# Altium PCB PROC054D_MMWCAS_RF_EVM_ASCII.PcbDoc (part 11 of 13) (continued)
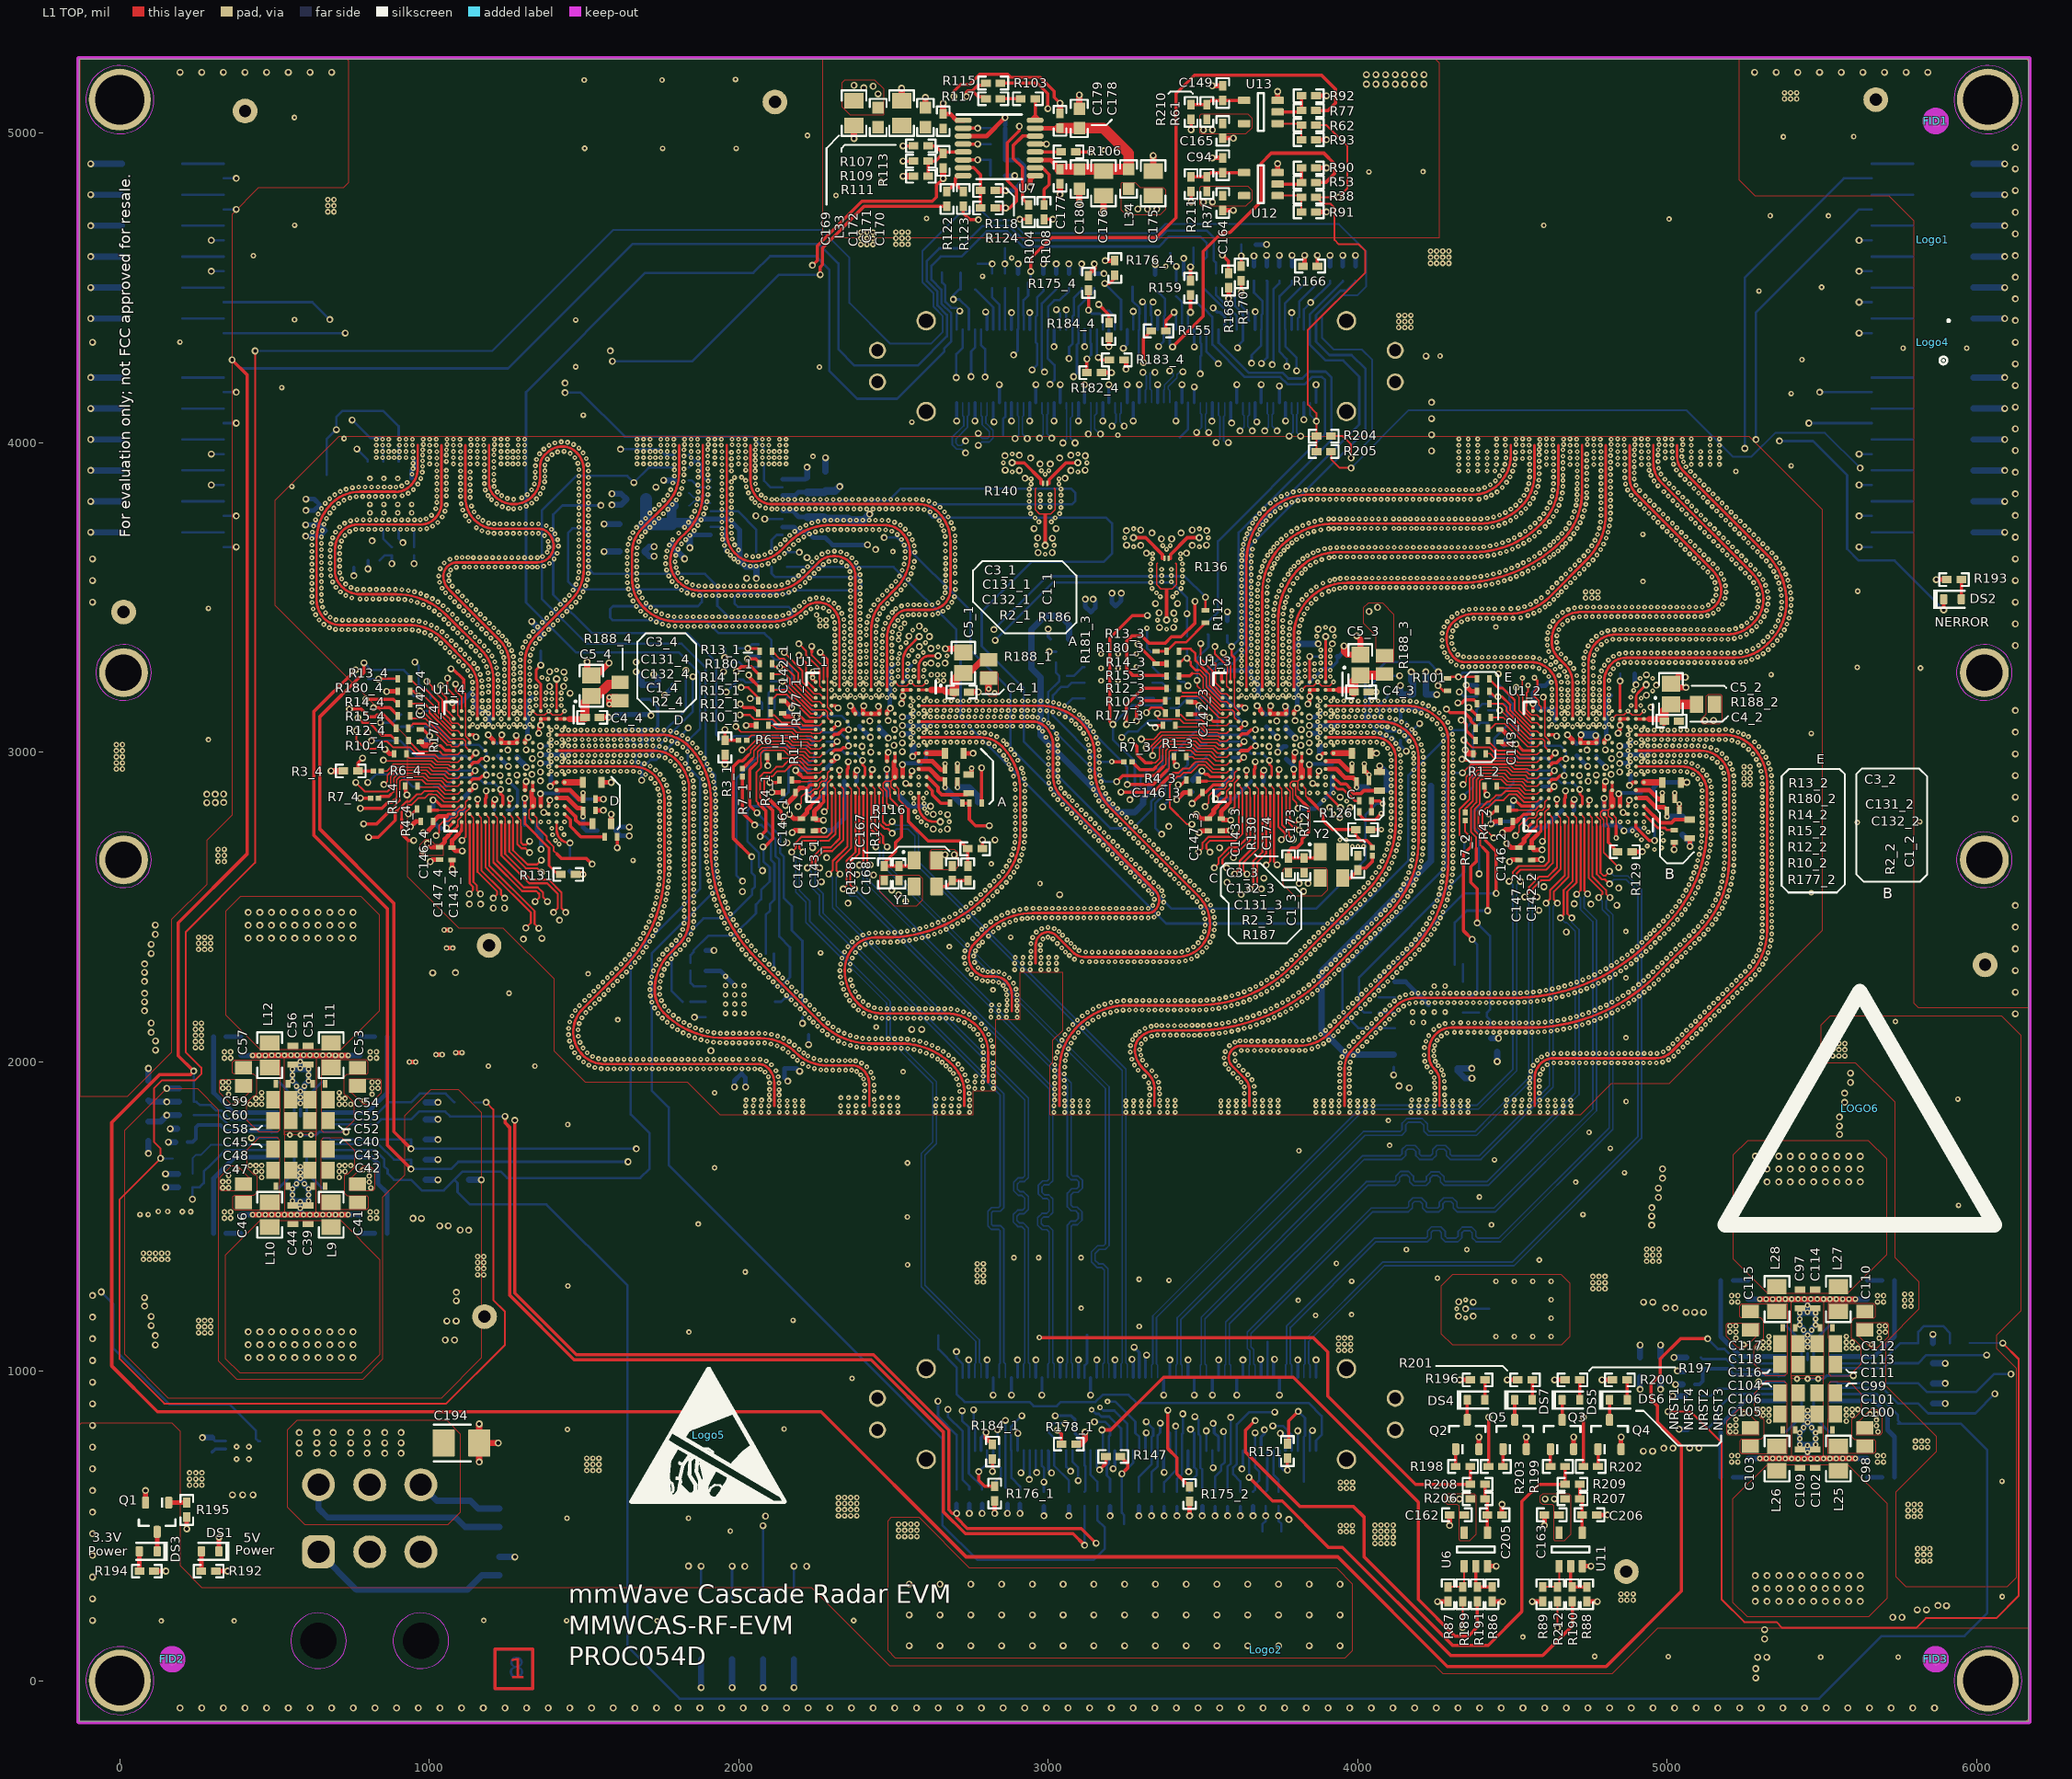
[diagram p0: L1 TOP view]
## Nets (pads, with @x,y where several pads share a name; then routed paths per layer and width w, separated by ;. In a path a pad name is that pad's centre, name@x,y a point inside that pad or via, vN(x,y) a via of type N, cw(c..) or ccw(c..) an arc to the next point about the centre after c; other vN are vias at no path point) (continued)
  L8 BOTTOM w20: R46.1@988.28,1683.21 v2(1028.15,1683.21) ; R47.2@988.28,1748.23 v2(1028.15,1748.23) ; v2(1590.21,3798.87) 1619.54,3798.87 L35.1@1637.54,3816.87 1619.54,3834.87 v2(1590.21,3834.87) ; v2(1668.58,3259.7) 1686.31,3241.98 R164.1@1686.31,3217.45 C197.1@1739.32,3217.44 1739.32,3237.56 v2(1725.47,3251.41) ; v2(1726.42,3632.62) 1710.6,3632.62 C181.1@1695.02,3648.2 1710.6,3663.78 v2(1726.42,3663.78) ; C148_3.1@3467.98,2909.98 v2(3497,2939) ; v2(4220.47,3259.25) C198.1@4220.47,3230.71 R173.1@4220.47,3185.83 v2(4255.81,3185.83) ; R70.1@5859,895.36 v2(5898.87,895.36) ; R71.2@5859,960.38 v2(5898.87,960.38)
  other v2: 4299.6,586.56 4329.13,586.56 4606.05,586.56 4635.58,586.56 4166.81,1915.43 4133.82,1921.54 1668.45,3290.77 3501.68,4777.32 3531.22,4777.32 3501.68,5010.37 3531.22,5010.37 2450.31,5126.39 2404.21,5146.62 2434.12,5151.52 2372.39,5154.46
  other v3: 4851.06,260.16 4870.74,260.16 4890.43,260.16 4851.06,279.85 4870.74,279.85 4890.43,279.85 225.44,631.86 245.12,631.86 264.81,631.86 225.44,651.54 245.12,651.54 264.81,651.54 225.44,671.23 245.12,671.23 264.81,671.23 5379.55,5110.56 5399.23,5110.56 5418.92,5110.56 5379.55,5130.25 5399.23,5130.25 5418.92,5130.25
SYSTEM_3V3_LED: Q1.1 R195.1 | length 58.3
  L1 TOP w15: Q1.1@157.85,575.13 R195.1@216.13,575.13
SYSTEM_3V3_LED_PW: DS3.1 R194.1 | length 63.8
  L1 TOP w15: R194.1@63.36,353.83 DS3.1@63.36,417.61
SYSTEM_5V0: C39.1 C44.1 C51.1 C56.1 C97.1 C102.1 C109.1 C114.1 C190.1 C191.1 C192.1 C193.1 C194.1 C202.1 J4.P3 J4.P4 J5.P1 J5.P2 J6.5 J6.6 L9.1 L10.1 L11.1 L12.1 L25.1 L26.1 L27.1 L28.1 R19.1 R34.2 R44.1 R59.2 R68.1 R192.2 R194.2 R196.2 R197.2 R200.2 R201.2 U5.8 | length 623.1
  L1 TOP w15: R194.2@110.6,353.83 v2(148.56,353.83) ; R192.2@310.6,353.83 v2(348.56,353.83) ; v2(4330.07,971.8) R196.2@4364.23,971.8 ; v2(4483.3,971.8) R201.2@4517.45,971.8 ; v2(4636.52,971.8) R197.2@4670.68,971.8 ; v2(4789.75,971.8) R200.2@4823.9,971.8
  L8 BOTTOM w20: R34.2@92.28,1938.09 v2(92.28,1977.96) ; v2(162.55,1783.21) R44.1@185.28,1783.21 ; J6.6@972.72,632.78 1024.38,581.12 1132.73,581.12 1158.2,555.65 R19.1@1226.16,555.65 ; v2(4978.78,941.32) R59.2@4978.78,981.19 ; v2(5033.27,1000.35) R68.1@5056.01,1000.35
  other v2: 2551.09,112.68 2650.53,112.68 2749.97,112.68 2849.41,112.68 2948.85,112.68 3048.29,112.68 3147.73,112.68 3247.17,112.68 3346.61,112.68 3446.05,112.68 3545.49,112.68 3644.94,112.68 3744.38,112.68 3843.82,112.68 3943.26,112.68 2551.09,212.12 2650.53,212.12 2749.97,212.12 2849.41,212.12 2948.85,212.12 3048.29,212.12 3147.73,212.12 3247.17,212.12 3346.61,212.12 3446.05,212.12 3545.49,212.12 3644.94,212.12 3744.38,212.12 3843.82,212.12 3943.26,212.12 5285.29,256.03 5322.96,256.03 5398.29,256.03 5473.63,256.03 5548.96,256.03 5624.29,256.03 5285.29,297.53 5360.63,297.53 5435.96,297.53 5511.29,297.53 5586.63,297.53 2551.09,311.56 2650.53,311.56 2749.97,311.56 2849.41,311.56 2948.85,311.56 3048.29,311.56 3147.73,311.56 3247.17,311.56 3346.61,311.56 3446.05,311.56 3545.49,311.56 3644.94,311.56 3744.38,311.56 3843.82,311.56 3943.26,311.56 5285.29,339.03 5322.96,339.03 5398.29,339.03 5473.63,339.03 5548.96,339.03 5624.29,339.03 579.51,734.71 636.51,734.71 689.21,734.71 746.21,734.71 798.91,734.71 855.91,734.71 908.61,734.71 579.51,768.04 636.51,768.04 689.21,768.04 746.21,768.04 798.91,768.04 855.91,768.04 908.61,768.04 579.51,801.37 636.51,801.37 689.21,801.37 746.21,801.37 798.91,801.37 855.91,801.37 908.61,801.37 414.57,1043.88 452.24,1043.88 527.57,1043.88 602.9,1043.88 678.24,1043.88 753.57,1043.88 414.57,1085.38 489.9,1085.38 565.24,1085.38 640.57,1085.38 715.9,1085.38 414.57,1126.88 452.24,1126.88 527.57,1126.88 602.9,1126.88 678.24,1126.88 753.57,1126.88 5285.29,1611.18 5322.96,1611.18 5398.29,1611.18 5473.63,1611.18 5548.96,1611.18 5624.29,1611.18 5285.29,1652.68 5360.63,1652.68 5435.96,1652.68 5511.29,1652.68 5586.63,1652.68 5285.29,1694.18 5322.96,1694.18 5398.29,1694.18 5473.63,1694.18 5548.96,1694.18 5624.29,1694.18 414.57,2399.04 452.24,2399.04 527.57,2399.04 602.9,2399.04 678.24,2399.04 753.57,2399.04 414.57,2440.54 489.9,2440.54 565.24,2440.54 640.57,2440.54 715.9,2440.54 414.57,2482.04 452.24,2482.04 527.57,2482.04 602.9,2482.04 678.24,2482.04 753.57,2482.04 4028.33,5158.13 4059.33,5158.13 4090.33,5158.13 4121.33,5158.13 4152.33,5158.13 4183.33,5158.13 4214.33,5158.13 4028.33,5189.13 4059.33,5189.13 4090.33,5189.13 4121.33,5189.13 4152.33,5189.13 4183.33,5189.13 4214.33,5189.13
  other v3: 2516.73,465.73 2536.41,465.73 2556.1,465.73 2575.78,465.73 3944.01,480.96 3963.69,480.96 3983.38,480.96 2516.73,485.42 2536.41,485.42 2556.1,485.42 2575.78,485.42 3944.01,500.65 3963.69,500.65 3983.38,500.65 2516.73,505.1 2536.41,505.1 2556.1,505.1 2575.78,505.1 3944.46,621.51 3964.14,621.51 3983.83,621.51 3944.46,641.2 3964.14,641.2 3983.83,641.2 4132.74,4371.76 4152.43,4371.76 4172.11,4371.76 4132.74,4391.45 4152.43,4391.45 4172.11,4391.45 4132.74,4411.13 4152.43,4411.13 4172.11,4411.13 2507.71,4640.63 2527.39,4640.63 2547.08,4640.63 2507.71,4660.32 2527.39,4660.32 2547.08,4660.32 2507.71,4680 2527.39,4680 2547.08,4680
SYSTEM_5V0_LED: DS1.1 R192.1 | length 63.8
  L1 TOP w15: R192.1@263.36,353.83 DS1.1@263.36,417.61
SYSTEM_5V0_SENSE: J6.4 R19.2 | length 685.3
  L8 BOTTOM w20: J6.4@642.01,632.78 642.01,556.46 671.54,526.93 1085.35,526.93 1115.69,496.59 R19.2@1226.16,496.59
SYSTEM_PGOOD: J5.119 R38.1 R62.1 R189.1 R204.1 R205.1 R212.1 | length 9560.7
  L1 TOP w6: R62.1@3865.5,5025.87 3899.65,5025.87 3966.41,4959.12 3966.41,4820.66 v2(3938.57,4792.82) R38.1@3865.5,4792.82 3886.67,4771.65 3912.34,4771.65 3925.32,4758.67 3925.32,4654.89 3939.38,4640.83 4003.94,4640.83 4024.92,4619.85 4024.92,4549.91 3839.48,4364.47 3839.48,4122.49 3867,4094.97 v2(3867,4069) R204.1@3867,4020.74 R205.1@3867,3971.03 ; v2(4339.59,171.43) R189.1@4339.59,255.59 ; v2(4646.04,171.43) R212.1@4646.04,255.59
  L3 SIGNAL 1 w6: v2(3938.57,4792.82) 4310.11,4421.29 5416.14,4421.29 5712.68,4124.75 5712.68,2462.43 6139.39,2035.73 6139.39,380.1 5861.89,102.6 4714.87,102.6 v2(4646.04,171.43) v2(4339.59,171.43)
  L8 BOTTOM w6: J5.119@3845.94,4128.84 3845.94,4090.06 v2(3867,4069)
SYSTEM_PGOOD1_GS: R87.1 R189.2 U6.1 | length 116.2
  L1 TOP w6: R87.1@4292.19,302.83 R189.2@4339.59,302.83 4344.59,307.83 U6.1@4344.59,369.58
SYSTEM_PGOOD2_GS: R89.1 R212.2 U11.1 | length 116.2
  L1 TOP w6: R89.1@4598.64,302.83 R212.2@4646.04,302.83 4651.04,307.83 U11.1@4651.04,369.58
SYSTEM_PGOOD3_GS: R38.2 R91.1 U12.1 | length 126.2
  L1 TOP w6: U12.1@3741.51,4797.82 3813.25,4797.82 R38.2@3818.25,4792.82 R91.1@3818.25,4745.42
SYSTEM_PGOOD4_GS: R62.2 R93.1 U13.1 | length 126.2
  L1 TOP w6: U13.1@3741.51,5030.87 3813.25,5030.87 R62.2@3818.25,5025.87 R93.1@3818.25,4978.47
TDO_RS_1: R8_1.1 U1_1.J13 | length 195.3
  L1 TOP w8: v2(2400.34,2973.54) 2400.34,2958.25 2407.9,2950.69 2407.9,2925.15 U1_1.J13@2402.3,2919.55
  L8 BOTTOM w7.75: R8_1.1@2283.7,2998.15 2294.54,3009 2329.72,3009 2343.1,2995.62 2378.26,2995.62 v2(2400.34,2973.54)
TDO_RS_2: R8_2.1 U1_2.J13 | length 252.2
  L1 TOP w8: v2(4718.34,2879.54) 4718.34,2864.33 4725.85,2856.82 4725.85,2831.1 U1_2.J13@4720.3,2825.55
  L8 BOTTOM w7.75: R8_2.1@4543.9,2906 4552.85,2914.95 4643.17,2914.95 4658.52,2899.6 4698.28,2899.6 v2(4718.34,2879.54)
TDO_RS_3: R8_3.1 U1_3.J13 | length 246.5
  L1 TOP w8: v2(3715.34,2973.54) 3715.34,2959.61 3722.42,2952.52 3722.42,2924.67 U1_3.J13@3717.3,2919.55
  L8 BOTTOM w7.75: R8_3.1@3551.46,2985.2 3574.07,3007.81 3643.97,3007.81 3656.78,2995 3693.88,2995 v2(3715.34,2973.54)
TDO_RS_4: R8_4.1 U1_4.J13 | length 303.5
  L1 TOP w10.5: v2(1230.34,2879.54) 1230.34,2865.07 1237.38,2858.03 1237.38,2830.63 U1_4.J13@1232.3,2825.55
  L8 BOTTOM w7.75: R8_4.1@1014.55,2887.78 1054.17,2887.78 1084.72,2918.33 1156.62,2918.33 1175.57,2899.38 1210.5,2899.38 v2(1230.34,2879.54)
TMP1_3V3: C195.1 C196.1 R164.2 U9.5 | length 275.9
  L8 BOTTOM w10: C196.1@1643.31,3074.22 C195.1@1686.31,3074.21 U9.5@1686.31,3022.83 ; C195.1@1685.85,3074.67 1730.43,3074.67 1738.85,3083.09 1738.85,3145.2 1713.84,3170.21 R164.2@1686.31,3170.21
TMP1_ADD0: R165.2 U9.4 | length 90.5
  L8 BOTTOM w7.75: R165.2@1600.31,3074.23 1637.33,3037.21 1657.15,3037.21 1666.62,3027.74 U9.4@1666.62,3022.83
TMP2_3V3: C199.1 C200.1 R172.2 R173.2 U10.5 | length 164.8
  L8 BOTTOM w12: R172.2@4097.47,3138.59 C199.1@4138.47,3138.59 ; U10.5@4138.47,3096.82 C199.1@4138.47,3138.59 ; R173.2@4220.47,3138.59 C200.1@4179.47,3138.59 C199.1@4138.47,3138.59
TMP2_ADD0: R172.1 U10.4 | length 136
  L8 BOTTOM w7.75: R172.1@4097.47,3185.83 4097.47,3179.4 4070.26,3152.19 4070.26,3118.68 4092.11,3096.82 U10.4@4118.78,3096.82
TMP_ALERT: R166.1 R171.1 U9.3 U10.3 | length 6598.6
  L1 TOP w10.5: R166.1@3870,4570.25 v2(3870,4604.76)
  L6 SIGNAL 3 w6.9: v2(1851.79,3243.79) 1851.79,3356.51 1959.25,3463.97 2149.42,3463.97 2215.05,3529.6 2704.08,3529.6 2961.93,3787.44 3073.61,3787.44 3296.09,4009.92 3296.09,4081.84 3228.63,4149.3 3228.63,4253.11 3219.81,4261.93 3219.81,4332.93 3202.98,4349.76 3202.98,4475.74 3223.09,4495.85 3223.09,4554.55 3300.9,4632.36 3490.56,4632.36 3523.75,4665.54 3722.99,4665.54 3753.7,4634.83 3839.93,4634.83 v2(3870,4604.76) 3899.9,4634.67 4011.69,4634.67 4139.57,4762.54 4411.8,4762.54 4796.75,4377.59 4796.75,3795.11 v2(4260.89,3259.25)
  L8 BOTTOM w7.75: U9.3@1666.62,2964.56 1666.62,2988.77 1669.85,2992 1712.42,2992 1851.79,3131.37 v2(1851.79,3243.79) ; R171.1@3870,4570.25 v2(3870,4604.76) ; U10.3@4118.78,3038.55 4118.78,3043.11 4111.62,3050.28 4081.14,3050.28 4024.49,3106.92 4024.49,3223.92 4091.57,3291 4229.14,3291 v2(4260.89,3259.25)
TMPSNS_ALERT: J5.57 R171.2 | length 184.2
  L8 BOTTOM w7.75: J5.57@3806.57,4365.06 3806.57,4401.09 3811.83,4406.34 3811.83,4456.14 3870,4514.31 R171.2@3870,4523
TMPSNS_SCL: R167.1 R170.1 U9.1 U10.1 | length 7378.8
  L1 TOP w10.5: R170.1@3624,4570.25 v2(3624,4603.07)
  L6 SIGNAL 3 w6.9: v2(1836.72,3078.07) 1836.72,3163.55 1909.35,3236.18 1909.35,3354.77 1981.58,3427 2165.17,3427 2235,3496.84 2780.31,3496.84 2865.28,3411.88 2865.28,2847.05 3348.79,2363.54 3785.84,2363.54 3903.46,2481.16 3903.46,2767.71 3834.43,2836.73 3834.43,2938.96 3819.98,2953.41 3819.98,2969.32 3831.77,2981.11 3850.7,2981.11 3871.14,2960.67 3893.33,2960.67 4025.02,3092.36 v2(4200.55,3092.36) 4200.55,3134.02 4197.18,3137.39 4197.18,3269.03 4216.87,3288.72 4255.16,3288.72 4745.78,3779.34 4745.78,4371.13 4378.51,4738.4 4167.47,4738.4 4009.39,4580.32 3646.75,4580.32 v2(3624,4603.07)
  L8 BOTTOM w7.75: U9.1@1705.99,2964.56 1705.99,2966.6 1714.62,2975.23 1733.87,2975.23 v2(1836.72,3078.07) ; v2(3624,4603.07) R167.1@3624,4640.08 ; U10.1@4158.15,3038.55 4158.15,3045.47 4167.75,3055.07 4167.75,3059.56 v2(4200.55,3092.36)
TMPSNS_SDA: R168.1 R169.1 U9.6 U10.6 | length 6413.7
  L1 TOP w10.5: v2(3562.86,4606.14) 3583,4586 R168.1@3583,4547.25
  L6 SIGNAL 3 w6.9: v2(1829.07,3264) 1829.07,3229.67 1840.54,3218.2 1869.51,3218.2 1892.89,3241.58 1892.89,3367.1 1968.38,3442.59 2155.21,3442.59 2225.27,3512.65 2713.71,3512.65 2955.24,3754.18 3059.55,3754.18 3307.99,4002.62 3307.99,4088.83 3275.04,4121.78 3275.04,4311.71 3217.96,4368.78 3217.96,4468.54 3238.49,4489.07 3238.49,4544.9 3312.34,4618.75 3491.1,4618.75 3503.71,4606.14 v2(3562.86,4606.14) 3604.66,4564.34 4021.42,4564.34 4169.37,4712.3 4348.6,4712.3 4697.81,4363.09 4697.81,3764.14 4241.94,3308.27 4177.71,3308.27 4135.57,3266.13 v2(4135.57,3246.81)
  L8 BOTTOM w7.75: U9.6@1705.99,3022.83 1705.99,3035.16 1716.84,3046.01 1737.84,3046.01 1829.07,3137.24 v2(1829.07,3264) ; v2(3562.86,4606.14) 3583,4586 R169.1@3583,4547.25 ; v2@4132.57,3247.81 4131.57,3246.81 4073.65,3246.81 4038.13,3211.29 4038.13,3123.3 4094.25,3067.18 4148.96,3067.18 4158.15,3076.37 U10.6@4158.15,3096.82
UART_TX_RS_1: R11_1.2 U1_1.N6 | length 260
  L1 TOP w4: 2239.39,3137.04 2279.26,3137.04 2286.94,3129.36 2286.94,3111.68 U1_1.N6@2299.94,3098.68
  L1 TOP w6: v2(2141,3229) 2142.82,3229 2234.78,3137.04 2239.39,3137.04
  L8 BOTTOM w7.75: R11_1.2@2104.31,3229 v2(2141,3229)
UART_TX_RS_2: R11_2.2 U1_2.N6 | length 260.2
  L1 TOP w4: 4545.88,3052.12 4554.96,3043.04 4597.26,3043.04 4604.94,3035.36 4604.94,3017.68 U1_2.N6@4617.94,3004.68
  L1 TOP w4.9: v2(4459,3135) 4463,3135 4545.88,3052.12
  L8 BOTTOM w7.75: R11_2.2@4422.06,3135 v2(4459,3135)
UART_TX_RS_3: R11_3.2 U1_3.N6 | length 374.7
  L1 TOP w4: v2(3481,3232) 3481,3213.65 3557.61,3137.04 3594.26,3137.04 3601.94,3129.36 3601.94,3111.68 U1_3.N6@3614.94,3098.68
  L8 BOTTOM w7.75: v2(3481,3232) 3481,3303 3517.92,3339.92 3517.92,3378.43 R11_3.2@3516,3380.34
UART_TX_RS_4: R11_4.2 U1_4.N6 | length 257.4
  L1 TOP w4: 1059.1,3051.9 1067.96,3043.04 1109.26,3043.04 1116.94,3035.36 1116.94,3017.68 U1_4.N6@1129.94,3004.68
  L1 TOP w6: v2(970,3133) 978,3133 1059.1,3051.9
  L8 BOTTOM w7.75: v2(970,3133) 1003.85,3133 R11_4.2@1003.91,3132.94
pads on no net: FID1.1 FID2.1 FID3.1 FID4.1 FID5.1 FID6.1 J6.ALIGN1 J6.ALIGN2 U1_1.G13 U1_2.G13 U1_3.G13 U1_4.G13 U2_1. U2_2. U2_3. U2_4. U3. U4. U5.2 U5.6 U5.7
copper on no net: | length 4000.2
  L1 TOP w10: 1212.01,-25.99 1333.89,-25.99 1333.89,102.14 1212.01,102.14 1212.01,-25.99
  L2 GND w10: 1212.01,-25.99 1212.01,102.14 1333.89,102.14 1333.89,-25.99 1212.01,-25.99
  L3 SIGNAL 1 w10: 1212.01,-25.99 1212.01,102.14 1333.89,102.14 1333.89,-25.99 1212.01,-25.99
  L4 GND w10: 1212.01,-25.99 1212.01,102.14 1333.89,102.14 1333.89,-25.99 1212.01,-25.99
  L5 SIGNAL 2 w10: 1212.01,-25.99 1212.01,102.14 1333.89,102.14 1333.89,-25.99 1212.01,-25.99
  L6 SIGNAL 3 w10: 1212.01,-25.99 1333.89,-25.99 1333.89,102.14 1212.01,102.14 1212.01,-25.99
  L7 GND w10: 1212.01,-25.99 1212.01,102.14 1333.89,102.14 1333.89,-25.99 1212.01,-25.99
  L8 BOTTOM w10: 1212.01,-25.99 1212.01,102.14 1333.89,102.14 1333.89,-25.99 1212.01,-25.99

## Polygon pours and split planes (outlines as drawn)
AWR_2_1V0_RF1_FILT on L1 TOP "L1_TOP_AWR_2_1V0_RF1_FILT_P29666" (solid, remove dead copper, pour order 29666): 27 vertices, not listed, extent 5498.68,302.32 6142.7,2147.42
GND on L1 TOP "L1_TOP_GND_P29669" (solid, remove dead copper, pour order 29669): 18 vertices, not listed, extent -130.19,1888.68 739.5,5239.33
GND on L1 TOP "L1_TOP_GND_P29668" (solid, remove dead copper, pour order 29668): 5231.8,5238.53 5231.69,4849.43 5283.95,4797.16 5716.26,4797.16 5796.07,4717.35 5796.07,2190.14 5810.92,2175.29 6168.01,2175.29 6168.57,2175.85 6168.57,5231.61 6161.65,5238.53
PMIC2_VIN_B3 on L1 TOP "L1_TOP_PMIC2_VIN_B3_P29651" (solid, remove dead copper, pour order 29651): 17 vertices, not listed, extent 5235.05,983.99 5387.52,1217.43
PMIC2_VIN_B2 on L1 TOP "L1_TOP_PMIC2_VIN_B2_P29652" (solid, remove dead copper, pour order 29652): 17 vertices, not listed, extent 5521,983.99 5673.48,1217.43
PMIC2_VIN_B0 on L1 TOP "L1_TOP_PMIC2_VIN_B0_P29649" (solid, remove dead copper, pour order 29649): 17 vertices, not listed, extent 5521,732.78 5673.48,966.22
PMIC2_VIN_B1 on L1 TOP "L1_TOP_PMIC2_VIN_B1_P29646" (solid, remove dead copper, pour order 29646): 17 vertices, not listed, extent 5235.05,732.78 5387.52,966.22
GND on L1 TOP "L1_TOP_GND_P29635" (solid, remove dead copper, pour order 29635): 5297.25,1118.41 5291.49,1112.65 5288.65,1112.65 5258.14,1082.13 5251.24,1075.23 5229.56,1075.23 5192.22,1112.57 5192.22,1150.63 5196.88,1155.3 5214.33,1155.3 5297.25,1155.3
GND on L1 TOP "L1_TOP_GND_P29632" (solid, remove dead copper, pour order 29632): 5611.28,1118.41 5617.04,1112.65 5619.88,1112.65 5650.39,1082.13 5657.29,1075.23 5678.97,1075.23 5716.3,1112.57 5716.3,1150.63 5711.64,1155.3 5694.19,1155.3 5611.28,1155.3
GND on L1 TOP "L1_TOP_GND_P29628" (solid, remove dead copper, pour order 29628): 5685.04,794.92 5689.22,794.92 5695.63,801.32 5695.63,858.35 5690.3,863.64 5678.97,874.98 5657.29,874.98 5650.39,868.08 5619.88,837.57 5617.04,837.57 5611.28,831.8 5611.28,794.92
GND on L1 TOP "L1_TOP_GND_P29631" (solid, remove dead copper, pour order 29631): 5297.25,831.8 5291.49,837.57 5288.65,837.57 5258.14,868.08 5251.24,874.98 5229.56,874.98 5192.22,837.64 5192.22,799.58 5196.88,794.92 5214.33,794.92 5297.25,794.92
PMIC1_VIN_B1 on L1 TOP "L1_TOP_PMIC1_VIN_B1_P29653" (solid, remove dead copper, pour order 29653): 17 vertices, not listed, extent 364.32,1520.64 516.8,1754.08
PMIC1_VIN_B0 on L1 TOP "L1_TOP_PMIC1_VIN_B0_P29650" (solid, remove dead copper, pour order 29650): 17 vertices, not listed, extent 650.28,1520.64 802.75,1754.08
GND on L1 TOP "L1_TOP_GND_P29634" (solid, remove dead copper, pour order 29634): 426.53,1619.66 420.76,1625.42 417.93,1625.42 387.41,1655.93 380.51,1662.84 358.83,1662.84 321.5,1625.5 321.5,1587.43 326.16,1582.77 343.61,1582.77 426.53,1582.77
GND on L1 TOP "L1_TOP_GND_P29629" (solid, remove dead copper, pour order 29629): 814.32,1582.77 818.5,1582.77 824.9,1589.18 824.9,1646.21 819.58,1651.5 808.24,1662.84 786.56,1662.84 779.66,1655.93 749.15,1625.42 746.31,1625.42 740.55,1619.66 740.55,1582.77
PMIC1_VIN_B2 on L1 TOP "L1_TOP_PMIC1_VIN_B2_P29648" (solid, remove dead copper, pour order 29648): 17 vertices, not listed, extent 650.28,1771.85 802.75,2005.29
PMIC1_3V3 on L1 TOP "L1_TOP_PMIC1_3V3_P29665" (solid, remove dead copper, pour order 29665): 19 vertices, not listed, extent 16.21,912.48 1168.2,1913.4
GND on L1 TOP "L1_TOP_GND_P29633" (solid, remove dead copper, pour order 29633): 740.55,1906.26 746.31,1900.5 749.15,1900.5 779.66,1869.99 786.56,1863.09 808.24,1863.09 845.58,1900.42 845.58,1938.49 840.92,1943.15 823.47,1943.15 740.55,1943.15
GND on L1 TOP "L1_TOP_GND_P29657" (solid, remove dead copper, pour order 29657): 531.43,1772.95 531.43,1505.92 532.07,1505.28 635.01,1505.28 635.01,1772.95
GND on L1 TOP "L1_TOP_GND_P29654" (solid, remove dead copper, pour order 29654): 531.43,1762.96 531.43,2020.01 532.07,2020.65 635.01,2020.65 635.01,1762.96
GND on L1 TOP "L1_TOP_GND_P29658" (solid, remove dead copper, pour order 29658): 4307.89,1313.25 4657.16,1313.25 4685.8,1284.61 4685.8,1111.12 4658.13,1083.45 4307.12,1083.45 4270.23,1120.34 4270.23,1275.59
SYSTEM_3V3 on L1 TOP "L1_TOP_SYSTEM_3V3_P29638" (solid, remove dead copper, pour order 29638): 4331.55,451.55 4327.93,455.18 4327.93,563.8 4323.09,568.63 4292.02,568.63 4283.95,576.69 4283.95,596.33 4291.96,604.34 4375.47,604.34 4381.38,598.43 4381.38,471.46 4361.47,451.55
SYSTEM_3V3 on L1 TOP "L1_TOP_SYSTEM_3V3_P29637" (solid, remove dead copper, pour order 29637): 4638,451.55 4634.38,455.18 4634.38,563.8 4629.54,568.63 4598.47,568.63 4590.4,576.69 4590.4,596.33 4598.41,604.34 4681.92,604.34 4687.83,598.43 4687.83,471.46 4667.92,451.55
SYSTEM_3V3 on L1 TOP "L1_TOP_SYSTEM_3V3_P29640" (solid, remove dead copper, pour order 29640): 3495.38,4764.67 3639.41,4764.67 3659.54,4784.79 3659.54,4814.71 3647.09,4827.15 3493.27,4827.15 3489.56,4823.44 3489.56,4770.34 3495.03,4764.87
SYSTEM_3V3 on L1 TOP "L1_TOP_SYSTEM_3V3_P29639" (solid, remove dead copper, pour order 29639): 3495.38,4997.71 3639.41,4997.71 3659.54,5017.83 3659.54,5047.75 3647.09,5060.2 3493.27,5060.2 3489.56,5056.49 3489.56,5003.38 3495.03,4997.91
SYSTEM_3V3 on L1 TOP "L1_TOP_SYSTEM_3V3_P29645" (solid, remove dead copper, pour order 29645): 2469.56,5061.01 2469.56,5142.27 2440.5,5171.33 2341.73,5171.33 2332.39,5161.99 2332.39,5085.55 2358.97,5058.96 2467.78,5058.96 2469.27,5060.45
SYSTEM_5V0 on L1 TOP "L1_TOP_SYSTEM_5V0_P29664" (solid, remove dead copper, pour order 29664): 2493.84,527.93 2581.97,527.93 2745.05,364.84 3931.77,364.84 3982.95,313.66 3982.95,96.49 3958.62,72.16 2507.28,72.16 2482.39,97.05 2482.39,516.58 2493.72,527.9
GND on L1 TOP "L1_TOP_GND_P29655" (solid, remove dead copper, pour order 29655): 5402.15,975.11 5402.15,1232.15 5402.79,1232.79 5505.73,1232.79 5505.73,975.11
SYSTEM_5V0 on L1 TOP "L1_TOP_SYSTEM_5V0_P29663" (solid, remove dead copper, pour order 29663): 5324.09,1251.7 5584.64,1251.7 5709.88,1376.94 5709.88,1685.56 5650.94,1744.51 5259.54,1744.51 5212.77,1697.74 5212.77,1363.02
SYSTEM_5V0 on L1 TOP "L1_TOP_SYSTEM_5V0_P29661" (solid, remove dead copper, pour order 29661): 5324.09,698.51 5584.64,698.51 5709.88,573.27 5709.88,264.65 5650.94,205.7 5259.54,205.7 5212.77,252.47 5212.77,587.19
GND on L1 TOP "L1_TOP_GND_P29656" (solid, remove dead copper, pour order 29656): 5402.15,985.09 5402.15,718.06 5402.79,717.42 5505.73,717.42 5505.73,985.09
SYSTEM_5V0 on L1 TOP "L1_TOP_SYSTEM_5V0_P29660" (solid, remove dead copper, pour order 29660): 453.36,1486.37 713.92,1486.37 839.16,1361.13 839.16,1052.5 780.21,993.56 388.81,993.56 342.04,1040.33 342.04,1375.04
SYSTEM_5V0 on L1 TOP "L1_TOP_SYSTEM_5V0_P29662" (solid, remove dead copper, pour order 29662): 453.36,2039.56 713.92,2039.56 839.16,2164.79 839.16,2473.42 780.21,2532.36 388.81,2532.36 342.04,2485.6 342.04,2150.88
GND on L1 TOP "L1_TOP_GND_P29636" (solid, remove dead copper, pour order 29636): 426.53,1906.26 420.76,1900.5 417.93,1900.5 387.41,1869.99 380.51,1863.09 358.83,1863.09 321.5,1900.42 321.5,1938.49 326.16,1943.15 343.61,1943.15 426.53,1943.15
PMIC1_VIN_B3 on L1 TOP "L1_TOP_PMIC1_VIN_B3_P29647" (solid, remove dead copper, pour order 29647): 17 vertices, not listed, extent 364.32,1771.85 516.8,2005.29
SYSTEM_5V0 on L1 TOP "L1_TOP_SYSTEM_5V0_P29659" (solid, remove dead copper, pour order 29659): 541.5,559.71 541.5,810.02 572.8,841.28 1056.63,841.28 1100.04,797.87 1100.04,543.34 1059.51,502.81 598,502.81
SYSTEM_1V8 on L1 TOP "L1_TOP_SYSTEM_1V8_P29643" (solid, remove dead copper, pour order 29643): 3239.31,4840.49 3280.27,4840.68 3297.05,4823.9 3372.17,4823.9 3378.31,4817.76 3378.31,4753.78 3360.42,4735.89 3252.14,4735.89 3236.26,4751.77 3236.26,4837.44
AWR_4_1V2_FILT on L1 TOP "L1_TOP_AWR_4_1V2_FILT_P29625" (solid, remove dead copper, pour order 29625): 978.08,2667.46 1045.42,2667.46 1045.42,2701.47 1019.13,2701.47 1002.59,2718.02 987.19,2718.02 968.35,2699.18 968.35,2672.52 973.4,2667.46
AWR_1_1V0_RF2_FILT on L1 TOP "L1_TOP_AWR_1_1V0_RF2_FILT_P29626" (solid, remove dead copper, pour order 29626): 2780.9,3259.52 2780.72,3232 2795.92,3216.8 2795.92,3194.71 2809.16,3181.48 2831.86,3181.48 2839.55,3189.17 2839.55,3252.46 2832.49,3259.52
AWR_2_1V0_RF2_FILT on L1 TOP "L1_TOP_AWR_2_1V0_RF2_FILT_P29627" (solid, remove dead copper, pour order 29627): 5110.63,3106.67 5126.99,3123.04 5126.99,3180.3 5133.93,3187.24 5172.42,3187.24 5177.47,3182.19 5177.47,3099.33 5168.43,3090.29 5116.66,3090.29 5110.29,3096.65 5110.29,3106.32
GND on L1 TOP "L1_TOP_GND_P29630" (solid, remove dead copper, pour order 29630): 2620.27,2620.24 2699.18,2620.24 2708.95,2630 2708.95,2673.93 2698.64,2684.24 2622.44,2684.24 2615.93,2677.73 2615.93,2624.55 2620.1,2620.38
GND on L1 TOP "L1_TOP_GND_P29641" (solid, remove dead copper, pour order 29641): 3765.34,2626.13 3895.98,2626.13 3902.5,2619.61 3902.5,2553.55 3882.95,2534 3797.04,2534 3758.83,2572.21 3758.83,2619.64 3765.26,2626.08
GND on L1 TOP "L1_TOP_GND_P29642" (solid, remove dead copper, pour order 29642): 2456.44,2602.38 2582.21,2602.38 2592.43,2592.16 2592.43,2521.18 2573.41,2502.16 2503.29,2502.16 2456.48,2548.96 2456.48,2602.13
AWR_3_1V0_RF2_FILT on L1 TOP "L1_TOP_AWR_3_1V0_RF2_FILT_P29644" (solid, remove dead copper, pour order 29644): 4060.58,3291.1 4060.25,3375.78 4020.02,3416.01 4020.02,3467.38 4035.05,3482.4 4079.64,3482.4 4116.47,3445.57 4116.47,3292.27 4114.26,3290.06 4061.61,3290.06
GND on L1 TOP "L1_TOP_GND_P29667" (solid, remove dead copper, pour order 29667): 2270.5,5238.6 2270.5,4661.99 4264.81,4661.99 4264.91,5225.92 4252.58,5238.25
GND on L1 TOP "L1_TOP_GND_P29670" (solid, remove dead copper, pour order 29670): 18 vertices, not listed, extent -131,-131 6167.79,831.86
GND on L1 TOP "L1_TOP_GND_P29671" (solid, remove dead copper, pour order 29671): 31 vertices, not listed, extent 501.19,1828.74 5503.18,4018.89
GND on L8 BOTTOM "L8_BOTTOM_GND_P29798" (solid, remove dead copper, pour order 29798): -131,-131 6168.21,-131 6168.21,5239.07 -131,5239.07
AWR_2_1V8_FILT on L8 BOTTOM "L8_BOTTOM_AWR_2_1V8_FILT_P29795" (solid, remove dead copper, pour order 29795): 24 vertices, not listed, extent 4635.81,1462.49 5451.53,3426.65
AWR_4_1V2_FILT on L8 BOTTOM "L8_BOTTOM_AWR_4_1V2_FILT_P29785" (solid, remove dead copper, pour order 29785): 946.33,2849.94 946.33,2640.24 1025.35,2561.22 1267.72,2561.22 1352.06,2645.56 1352.06,2844.62 1328.51,2868.17 1214.57,2868.17 1164.42,2918.32 1014.74,2918.32 946.86,2850.43
AWR_2_1V0_RF2_FILT on L8 BOTTOM "L8_BOTTOM_AWR_2_1V0_RF2_FILT_P29782" (solid, remove dead copper, pour order 29782): 4829.9,3085.09 4829.91,3051.54 4843.19,3038.26 4987.81,3038.26 5172.62,2853.46 5259.54,2853.46 5280.15,2874.07 5280.15,2992.52 5148.12,3124.55 4929.75,3124.55 4905.21,3100.02 4844.82,3100.02
PMIC1_SW_B2 on L8 BOTTOM "L8_BOTTOM_PMIC1_SW_B2_P29712" (solid, remove dead copper, pour order 29712): 602.33,1904.39 626.6,1928.65 626.6,1991.13 635.88,2000.41 720.21,2000.41 725.65,1994.97 725.65,1925.86 722.09,1922.3 640.83,1922.3 602.33,1883.81
PMIC1_SW_B0 on L8 BOTTOM "L8_BOTTOM_PMIC1_SW_B0_P29710" (solid, remove dead copper, pour order 29710): 602.33,1621.53 626.6,1597.27 626.6,1534.8 635.88,1525.51 720.21,1525.51 725.65,1530.95 725.65,1600.06 722.09,1603.62 640.83,1603.62 602.33,1642.11
PMIC2_SW_B2 on L8 BOTTOM "L8_BOTTOM_PMIC2_SW_B2_P29706" (solid, remove dead copper, pour order 29706): 5473.06,1116.54 5497.32,1140.8 5497.32,1203.27 5506.6,1212.56 5590.94,1212.56 5596.38,1207.12 5596.38,1138 5592.82,1134.45 5511.55,1134.45 5473.06,1095.96
PMIC2_SW_B0 on L8 BOTTOM "L8_BOTTOM_PMIC2_SW_B0_P29705" (solid, remove dead copper, pour order 29705): 5473.06,833.68 5497.32,809.41 5497.32,746.94 5506.6,737.66 5590.94,737.66 5596.38,743.09 5596.38,812.21 5592.82,815.77 5511.55,815.77 5473.06,854.26
AWR_3_1V0_RF1_FILT on L8 BOTTOM "L8_BOTTOM_AWR_3_1V0_RF1_FILT_P29797" (solid, remove dead copper, pour order 29797): 33 vertices, not listed, extent 3666.48,1292.25 6169.01,4069.04
GND on L8 BOTTOM "L8_BOTTOM_GND_P29725" (solid, remove dead copper, pour order 29725): 3685.47,3174.35 3685.47,3218.83 3674.83,3229.48 3674.83,3290.31 3664.18,3300.95 3637.19,3300.95 3624.74,3288.5 3555.4,3288.5 3540.11,3273.2 3540.11,3235.31 3602.19,3173.23 3684.09,3173.23 3685.18,3174.32
SYSTEM_5V0 on L8 BOTTOM "L8_BOTTOM_SYSTEM_5V0_P29796" (solid, remove dead copper, pour order 29796): 35 vertices, not listed, extent 2341.19,4319.37 4314.2,5222.32
AWR_3_1V0_RF2_FILT on L8 BOTTOM "L8_BOTTOM_AWR_3_1V0_RF2_FILT_P29794" (solid, remove dead copper, pour order 29794): 27 vertices, not listed, extent 3834.53,1471.72 5878.58,3778.59
AWR_3_1V2_FILT on L8 BOTTOM "L8_BOTTOM_AWR_3_1V2_FILT_P29793" (solid, remove dead copper, pour order 29793): 17 vertices, not listed, extent 3913.74,-34.67 5218.82,1138.73
AWR_4_1V0_RF2_FILT on L8 BOTTOM "L8_BOTTOM_AWR_4_1V0_RF2_FILT_P29789" (solid, remove dead copper, pour order 29789): 33 vertices, not listed, extent 831.95,2091.89 1874.36,3214.6
AWR_1_1V0_RF2_FILT on L8 BOTTOM "L8_BOTTOM_AWR_1_1V0_RF2_FILT_P29788" (solid, remove dead copper, pour order 29788): 981.95,1099.93 981.95,1069.48 998.6,1052.83 1531.52,1052.83 1576.14,1008.21 1576.14,679.16 1544.46,647.48 1097.4,647.48 834.88,910 834.88,1058.8 835,1272.41 841.07,1278.48 969.61,1278.48 981.95,1266.14
GND on L8 BOTTOM "L8_BOTTOM_GND_P29720" (solid, remove dead copper, pour order 29720): 17 vertices, not listed, extent 324.94,1483.32 435.27,1662.2
GND on L8 BOTTOM "L8_BOTTOM_GND_P29721" (solid, remove dead copper, pour order 29721): 17 vertices, not listed, extent 731.81,1483.32 842.14,1662.2
GND on L8 BOTTOM "L8_BOTTOM_GND_P29719" (solid, remove dead copper, pour order 29719): 17 vertices, not listed, extent 731.81,1863.73 842.14,2042.6
GND on L8 BOTTOM "L8_BOTTOM_GND_P29760" (solid, remove dead copper, pour order 29760): 24 vertices, not listed, extent 530.59,1923.28 636.24,2303.75
AWR_4_1V0_RF1_FILT on L8 BOTTOM "L8_BOTTOM_AWR_4_1V0_RF1_FILT_P29792" (solid, remove dead copper, pour order 29792): 24 vertices, not listed, extent 479.15,2247.44 1317.72,3551.66